# KiCad board pannel.kicad_pcb (continued)
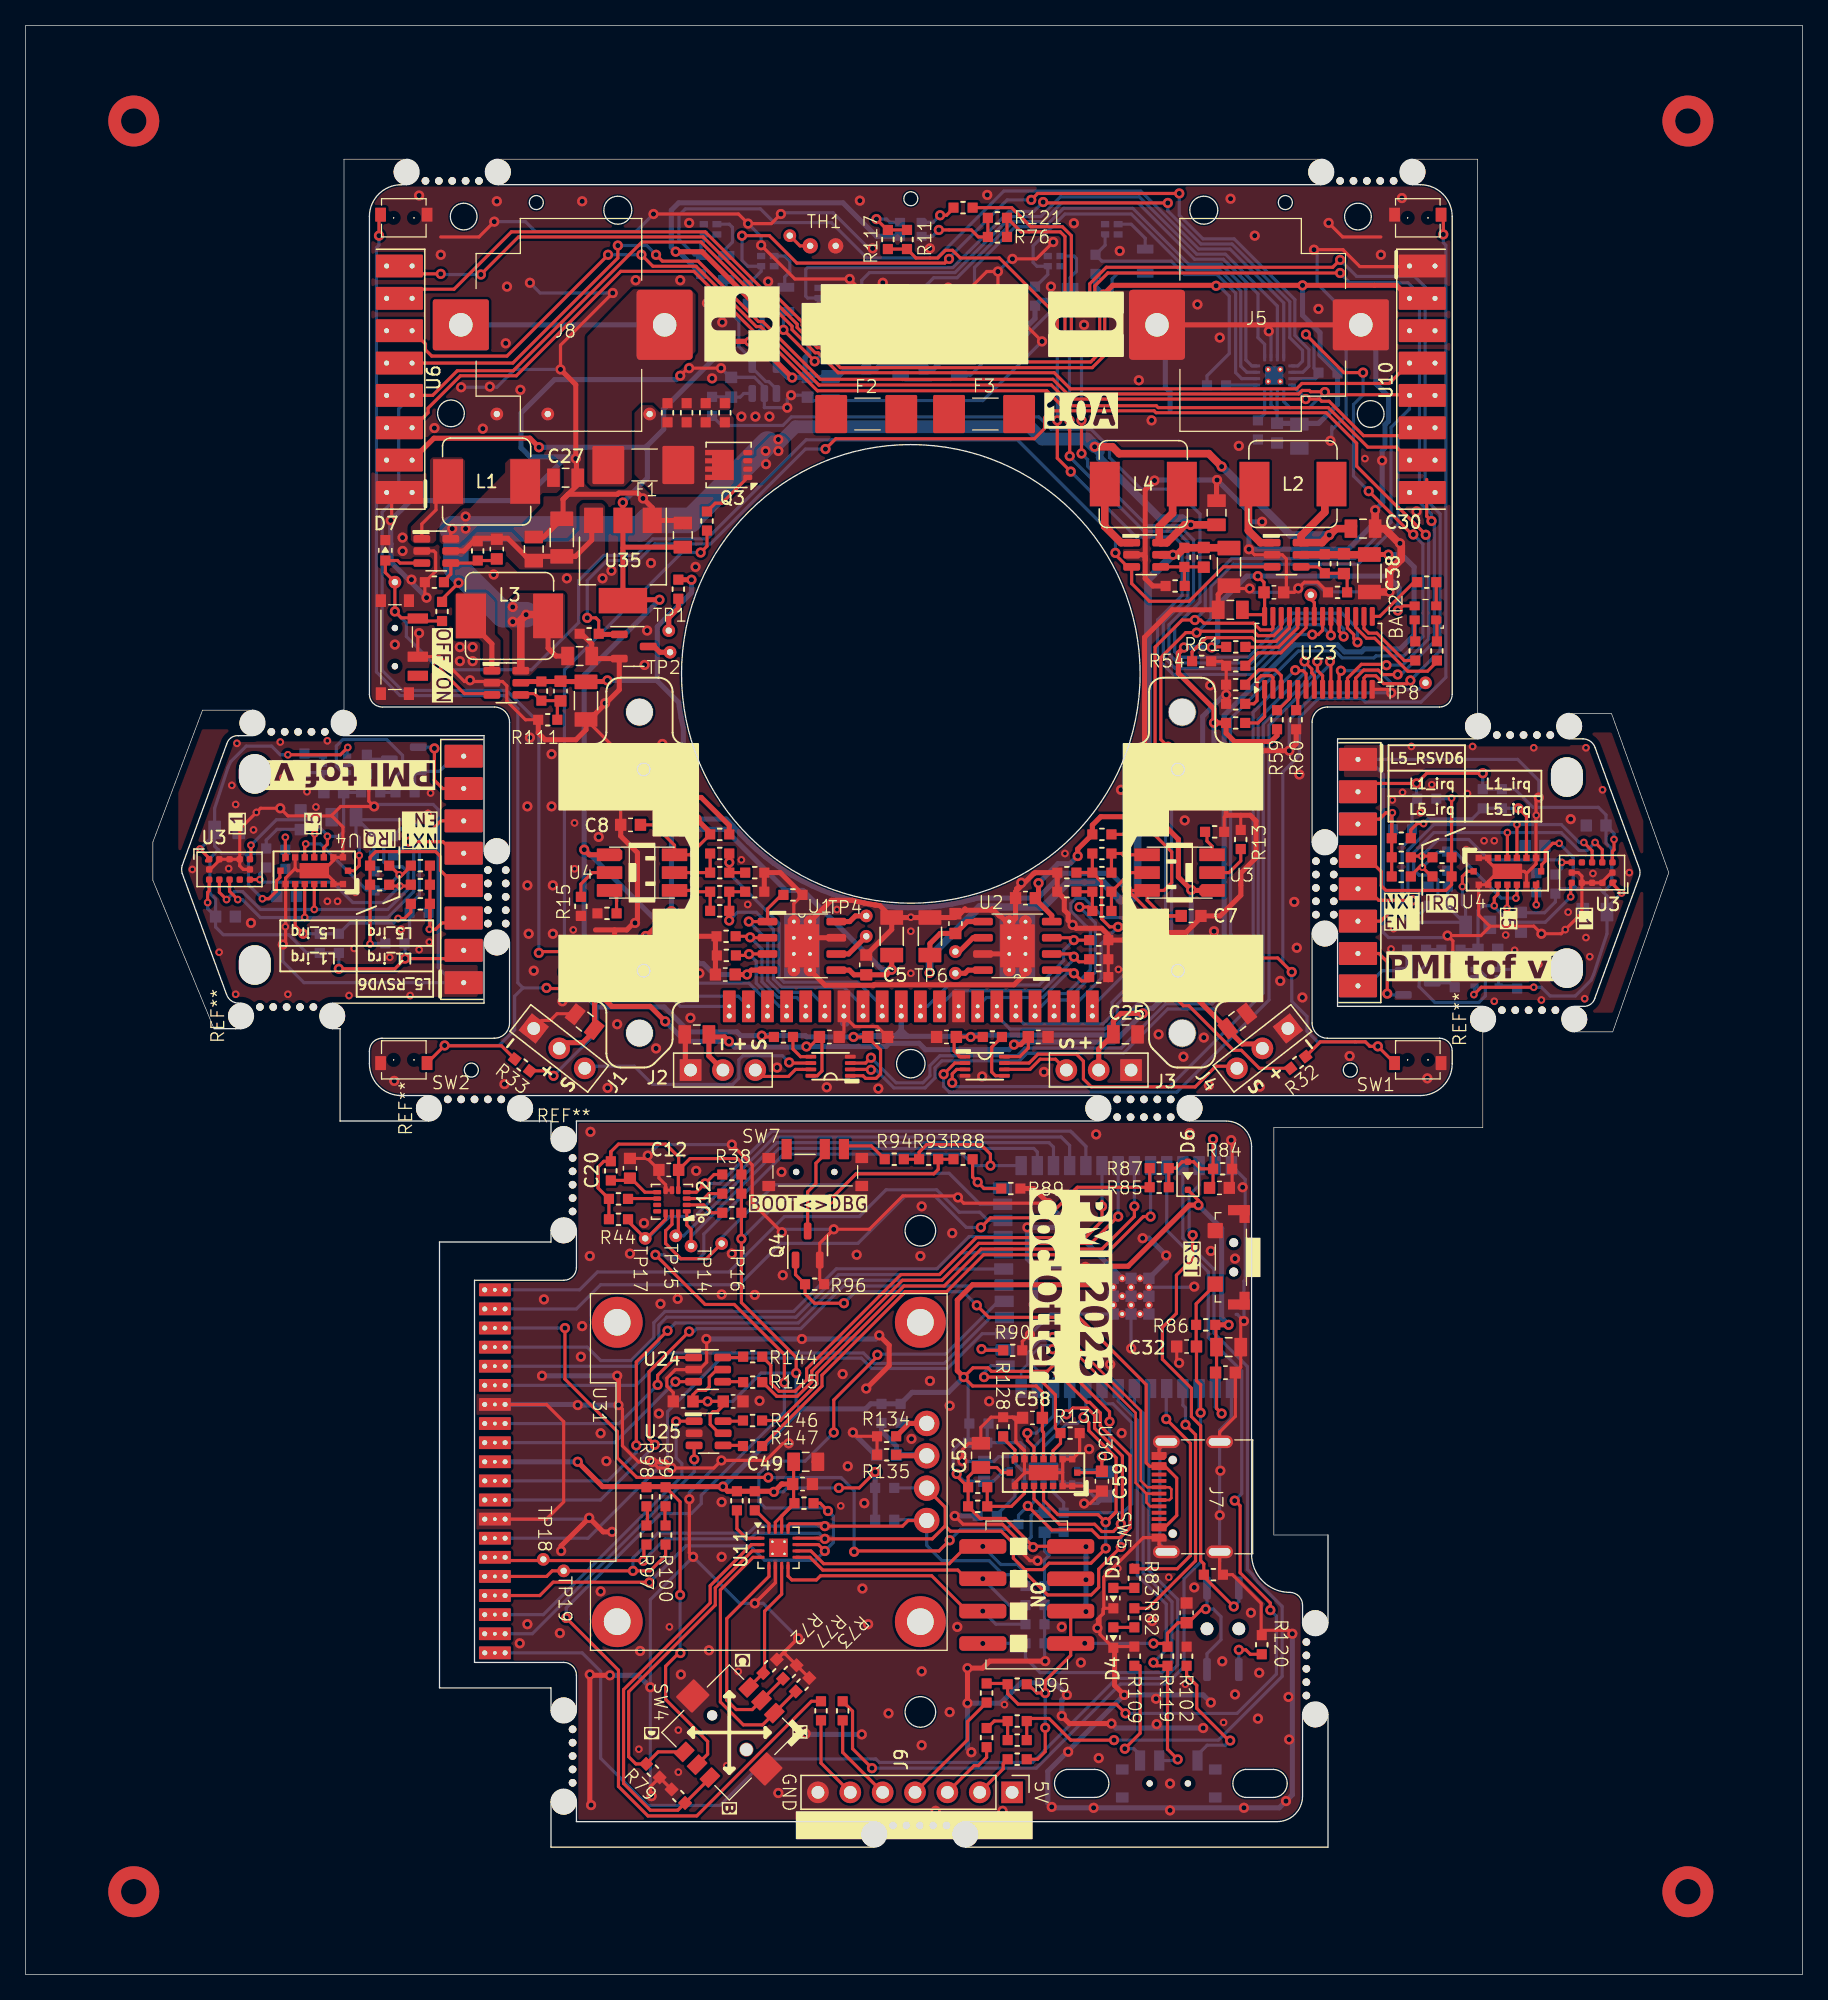
[diagram p0: board, top side]
## Routing (per net, layer and track width the routed paths; a pad name or vN(x,y) marks a point on that pad's centre or on a via; arc(x,y) is an arc through that point) (continued)
  Top w0.4: v2(80.05,24.6) 75.68,24.6 75.13,24.05 v2(73.95,24.05) v2(73.95,21.3) ; v2(50.73,39.76) 50.25,40.24 v2(49.2,40.24) ; v2(42.05,33.25) 42.05,33.65 v2(44.25,35.85) 45.35,34.75 v2(46.05,34.75) ; v2(80.3,60.55) 79.15,61.7 R89.2 ; v2(66,46) 67.8,47.8 67.8,49.4 v2(67.03,50.17) ; v2(45.88,23.49) 44.36,23.49 v2(44.3,23.55) 44.3,13.4 v2(44.4,13.3) ; v2(81.35,20.3) 81.95,19.7 v2(85.25,19.7) ; v2(86.25,21.95) 85.5,22.7 85.5,25.55 D4.C ; v2(46.45,47) 46.55,46.9 v2(46.55,44.7)
  Bottom w0.25: v2(44.25,35.85) 44.15,35.75 J49.13 ; J7.SHIELD 89.05,41.31 89.05,33.8 89.56,33.29 J7.SHIELD ; v2(54.63,40.36) 52.11,37.84 v2(52.11,37.31) ; 95.03,51.82 95.13,51.82 v2(95.65,51.3) 95.65,54.44 95.75,54.54 95.75,62.42 U32.40 94.65,63.52 v2(94.65,65.5) ; v2(83.1,36.97) 84.17,36.97 C51.2 83.85,37.55 82.85,38.55 U22.A7 U22.A6 81.42,39.6 ; R127.2 80.03,34.75 C57.2 80,33.25 80.35,32.9 80,32.54 R68.2 R71.2 80,24.65 v2(80.05,24.6) ; v2(59.37,58.27) 59.6,58.5 v2(63.45,58.5) ; U22.A2 78.42,39.57 78.45,39.6 ; 81.42,39.6 U22.B4 78.22,39.6 77.67,40.15 U22.C1 76.4,40.65 76.03,40.28 C53.2 73.58,40.28 v2(73.55,40.3) ; 81.42,39.6 U22.C6 U22.C7 ; U32.1 94.67,43.66 93.74,42.73 J7.SHIELD J7.SHIELD ; U32.41 U32.41 80.47,51.85 v2(78.85,50.22) ; v2(86.8,49.15) 86.79,49.16 U32.41 U32.41 ; v2(48.85,64.29) 49.71,65.15 v2(55.45,65.15) ; U32.41 U32.41 ; U32.41 U32.41 ; v2(60.65,26.4) 57.91,29.14 v2(57.25,29.14) 56.06,29.14 v2(52.41,32.79) 49.05,29.43 49.05,14.1 v2(49.15,14) ; U32.41 91.7,53.95 v2(91.75,54)
  Bottom w0.4: v2(79.3,55.55) 78.65,56.2 v2(78.65,58.65) 81.6,58.65 v2(83,60.05) ; v2(79.3,55.55) v2(83.2,55.55) 84.1,54.65 U32.41 ; v2(79.3,55.55) 79.3,52.75 v2(79.15,52.6) ; v2(53.45,49.89) 66.74,49.89 v2(67.03,50.17) ; C31.2 66.7,40.8 v2(64.95,42.55) ; v2(93.05,21.35) 92.45,21.95 v2(86.25,21.95) 80.25,15.95 80.25,13.47 v2(80.56,13.15) 80.63,13.09 98.42,13.09 v2(98.95,13.62) 99.45,14.11 v2(99.45,26.75) ; v2(85.25,19.7) 85.6,19.35 v2(92.45,19.35) ; v2(46.55,44.7) v2(43.35,44.7) 43.3,44.75 J49.7 ; v2(65.65,18.85) 61.3,18.85 v2(61.25,18.9) ; v2(74.25,17.45) 73.95,17.75 v2(73.95,21.3) 76.55,21.3 78.15,22.9 80.8,22.9 v2(81.75,21.95) 81.35,21.55 v2(81.35,20.3) ; v2(45.88,23.49) 48.11,23.49 v2(49.05,22.55) ; 72.85,36 v2(72.95,36) R124.2 ; U32.41 89.55,56.01 v2(89.55,56.45) 88.2,57.8 v2(87.7,57.8) ; U32.41 80.3,60.44 v2(80.3,60.55) ; v2(46.45,47) v2(40.55,47)
  vias: v2(38.8,26) v2(39.4,27.5) v2(40.7,53) v2(41.95,26.8) v2(43.6,48.5) v2(43.7,50.9) v2(44.3,56.4) v2(44.35,66.15) v2(45.15,42.49) v2(45.15,30.07) v2(45.6,40.3) v2(47.45,56.59) v2(48.25,25.4) v2(48.55,58.99) v2(49.73,44.04) v2(49.85,52.65) v2(51.2,53.04) v2(51.45,23.55) v2(52.65,63.09) v2(53.65,25.45) v2(54.65,53.39) v2(54.65,37.09) v2(54.65,32.79) v2(55.45,56.59) v2(57.25,53.35) v2(57.62,45.04) v2(59.1,14.25) v2(59.35,63) v2(59.45,54.9) v2(60.95,49.89) v2(64.15,47.14) v2(64.55,39.9) v2(65.25,56.5) v2(65.7,30.3) v2(65.85,37) v2(66.15,27.5) v2(67.75,20.5) v2(69.55,42.05) v2(70.25,56.4) v2(70.35,60.3) v2(70.35,23.8) v2(70.35,18) v2(71,46.6) v2(71.45,12.85) v2(72.55,44.65) v2(72.55,20.6) v2(72.75,58.2) v2(73.2,61) v2(73.15,27.29) v2(75.65,45) v2(76.7,12.85) v2(81.35,27.29) v2(81.85,17.49) v2(82.05,50.79) v2(82.85,24.49) v2(83.5,41.25) v2(83.85,13.09) v2(84.05,65.95) v2(84.25,16.99) v2(85.15,47.9) v2(86.05,42.5) v2(88.45,27.75) v2(88.75,21.65) v2(88.8,19.65) v2(89.85,14.99) v2(89.85,12.89) v2(91.4,66.05) v2(91.75,30.39) v2(93.05,56.8) v2(93.8,39.55) v2(93.75,36.05) v2(93.95,24.59) v2(94.95,56.2) v2(94.95,21.99) v2(95.55,61.8) v2(95.65,13.09) v2(96.2,28.4) v2(96.85,23.69) v2(96.75,20.09) v2(99.15,21.79) v2(99.2,18.45) v3(48.15,17.69) v3(50.55,27.29) v3(51.25,19.19) v3(51.25,15.89) v3(55.05,16.39) v3(55.95,23.79) v3(64,36.79) v3(76.85,21.19) v3(85.75,31.89) v3(89.75,31.19) v3(91.05,22.79) v3(94.05,19.79)
(no net):
  vias: v1(8.5,145.5) v1(8.5,6.5) v1(130.5,145.5) v1(130.5,6.5)
+BATT: length 136.3
  Top w0.25: v2(33.5,113.5) 33.5,113.21 33.39,113.1 U28.6 ; v2(34,109.25) 32.7,107.95 R114.1 ; Q3.1 54.67,115.5 54.15,115.5 R65.1 53.55,114.85 53.6,114.9
  Top w0.4: C39.1 41.65,103.5 41.02,104.12 41.02,106.75
  Top w0.6: 91.66,113.8 C40.1 ; 41.02,106.75 v2(39.3,106.75) 38.89,106.34 38.89,102.45 ; L2.1 102,116.47 102,114.8 100.14,112.94 U29.6 101.78,112.4 102.88,113.5 C30.1 104.25,113.7 ; v2(93.9,118.38) 92.89,119.39 85.86,119.39 85.32,119.93 v2(83.93,119.93) ; 91.48,115.65 90.78,116.35 L4.1 90.05,116.28 90.05,114.72 89,113.67 89,112.51 U34.6 89.6,112.4 91,113.8 v2(91.48,113.8)
  Bottom w0.6: v2(33.5,113.5) 33.79,113.21 ; v2(91.48,113.8) 91.33,113.8 90.81,114.32 89.06,114.32 84.33,119.05 84.33,119.58 ; v2(93.9,118.38) 93.94,118.38 99.32,113 v2(102.35,113) ; v2(83.93,119.93) 83.97,119.93 ; 58.25,120.25 59.2,120.25
  Bottom w0.8: 83.97,119.93 84.33,119.58
  Bottom w1: 59.2,120.25 60.45,121.5 78.85,121.5 79.81,120.54 83.32,120.54 v2(83.93,119.93)
  Bottom w1.8: 58.25,120.25 52.15,114.15
  Bottom w2: v2(39.3,106.75) 37.5,106.75 33.79,110.46 33.79,113.21 ; 52.15,114.15 48.88,114.15 48.22,113.48 33.52,113.48 v2(33.5,113.5)
  vias: v2(34.55,114.45) v2(34.55,113.5) v2(38.25,107.35) v2(38.25,106.2) v2(58.1,119.6) v2(58.14,118.56) v2(59.1,120.5) v2(59.1,119.6)
//enable_tof_3v3: length 12.7
  Top w0.25: J1.7 106.25,80.15 106.9,79.5 v2(106.9,77) ; v2(32.1,96.25) 32.1,93.75 32.75,93.1 J1#2.7
  Bottom w0.25: v2(32.1,96.25) 32,96.35 Q1#3.1 ; v2(106.9,77) 107,76.9 Q1#2.1
//reset_tof_com_3v3: length 11.6
  Bottom w0.25: J1#2.8 33.69,95.64 32.5,94.45 Q1#3.2 30.55,94.16 R18#2.2 ; R18#3.2 108.45,79.09 Q1#2.2 106.5,78.8 105.31,77.61 J1.8
/actuators//reset_tof_3v3: length 134.3
  Top w0.25: v2(32.6,133.5) 31,133.5 30.38,134.12 28.75,134.12 ; v2(35.75,133.45) 38.7,136.4 53.19,136.4 58.08,131.51 58.62,131.51 60.58,129.56 60.58,129.29 62.16,127.71 62.4,127.71 63.97,126.14 83.74,126.14 84.72,127.12 84.72,130.82 83.95,131.6 83.95,132.56 84.96,133.57 v2(103.2,133.57) ; v2(107.72,102.05) 107.72,102.05 107.72,102.04 106.55,102.04 106.19,102.4 105.05,102.4 104.42,101.77 U23.12 ; 110,117.36 110,114.47 v2(110.38,114.1)
  Bottom w0.25: v2(103.2,133.57) 103.97,132.8 108.53,132.8 109.42,131.9 109.42,115.58 110.38,114.63 v2(110.38,114.1) 110.6,113.88 110.6,104.65 108,102.05 v2(107.72,102.05) ; v2(32.6,133.5) 32.65,133.45 v2(35.75,133.45)
/actuators/enable_tof_3v3: length 133.5
  Top w0.25: U23.13 105.08,101.78 105.24,101.95 106,101.95 106.62,101.34 107.51,101.34 107.53,101.32 108.46,101.32 v2(108.72,101.59) ; 28.75,131.58 29.7,131.58 30.42,132.3 33.65,132.3 38.15,136.8 53.36,136.8 58.25,131.91 58.79,131.91 60.98,129.72 60.98,129.46 62.32,128.11 62.56,128.11 64.08,126.59 83.62,126.59 83.83,126.79 83.83,126.8 84.33,127.3 84.33,130.65 83.55,131.43 83.55,132.72 84.85,134.02 102.62,134.02 v2(103.2,134.6)
  Bottom w0.25: v2(108.72,101.59) 111.05,103.92 111.05,114.66 109.88,115.84 109.88,132.47 109.05,133.3 104.5,133.3 v2(103.2,134.6)
/actuators/led_RGB_b_3v3: length 65.5
  Top w0.25: v2(82.05,117.98) 81,119.03 v2(81,122) ; R117.1 R11.1 69.9,134.75 71.62,134.75 72.22,135.35 72.78,135.35 73.38,134.75 76.45,134.75 81,130.2 v2(81,127.81) ; v2(101.02,105.19) 101.49,105.19 101.83,105.53 U23.21
  Bottom w0.25: v2(82.05,117.98) 87.19,112.84 90.2,112.84 90.8,112.25 90.8,108.26 88.87,106.33 88.87,103.28 90.09,102.06 96.58,102.06 99.7,105.19 v2(101.02,105.19) ; v2(81,122) v2(81,127.81)
/actuators/led_RGB_g_3v3: length 62.7
  Top w0.25: R76.1 R121.1 78.15,136.8 81.24,136.8 81.6,136.44 81.6,128.53 81.95,128.18 v2(81.95,127.78) ; v2(81.97,119.19) 81.97,121.22 81.95,121.24 v2(81.95,122) ; U23.20 v2(102.47,105.12)
  Bottom w0.25: v2(81.97,119.19) 81.97,119.14 87.82,113.3 90.39,113.3 91.25,112.43 91.25,108.08 89.32,106.15 89.32,103.47 90.28,102.51 96.39,102.51 99.84,105.96 101.64,105.96 v2(102.47,105.12) ; v2(81.95,122) v2(81.95,127.78)
/actuators/led_RGB_r_3v3: length 65.7
  Top w0.25: v2(103.48,105.03) 103.48,105.1 103.12,105.45 U23.19 ; v2(82.9,122) v2(82.9,119.4) ; v2(82.9,127.8) 82.1,128.6 82.1,136.5 81.4,137.2 78.92,137.2 77.42,138.7 74.45,138.7
  Bottom w0.25: v2(82.9,122) v2(82.9,127.8) ; v2(82.9,119.4) 83.38,118.92 83.38,118.4 88.03,113.75 90.57,113.75 91.7,112.62 91.7,107.89 89.77,105.96 89.77,103.66 90.46,102.96 96.2,102.96 99.66,106.41 102.69,106.41 103.48,105.62 v2(103.48,105.03)
/actuators/led_vbatt_B: length 6
  Top w0.25: R62.2 108.23,103.15 106.08,105.3 105.44,105.3 105.08,105.66 U23.16
/actuators/led_vbatt_G: length 4.6
  Top w0.25: R63.2 109,109.3 106.31,106.61 U23.15
/actuators/led_vbatt_R: length 8.9
  Top w0.25: U23.17 104.42,105.75 105.27,104.9 105.91,104.9 108.5,102.31 110.06,102.31 110.75,103
/actuators/line_led_pwm_3v3: length 74
  Top w0.25: v2(104.57,104.58) 104.27,104.88 104.27,105.19 103.78,105.69 U23.18
  Bottom w0.25: v2(104.57,104.58) 104.57,105.64 103.34,106.86 99.47,106.86 96.02,103.41 90.65,103.41 90.22,103.84 90.22,105.77 92.2,107.76 92.2,114.65 90.24,116.61 87.58,116.61 85.1,119.09 85.1,119.86 83.64,121.31 80.51,121.31 79.55,122.28 60.13,122.28 59.45,121.6 54.65,121.6 R31.1
/actuators/scl_3v3: length 174.1
  Top w0.25: v2(45.73,135) 45.73,134.98 37.8,127.05 31.89,127.05 31.4,127.54 31.4,128 30.36,129.04 28.75,129.04 ; U23.26 98.58,105.69 97.99,105.1 96.75,105.1 96.4,105.45 92.05,105.45 v2(91.94,105.34) 91.08,105.34 89.12,103.38 89.12,96.95 v2(89.69,96.38) ; v2(48.35,135) 49.25,134.1 52.63,134.1 57.37,129.36 57.71,129.36 61.7,125.37 61.7,125.36 62.28,124.78 80.54,124.78 81.64,123.67 v2(100.5,123.67) 101.58,123.67 101.75,123.5 102.34,123.5 105.04,120.8 108.03,120.8 108.66,121.43
  Top w0.4: 28.75,129.04 29.17,129.04
  Bottom w0.25: v2(45.73,135) v2(48.35,135) ; v2(91.94,105.34) 93.06,106.47 93.06,108.97 94.81,110.71 104.61,110.71 107.75,113.85 107.75,120.52 U10.6 ; 99.42,124.78 100.5,123.7 v2(100.5,123.67) ; J50.15 77.28,74.22 84.76,74.22 85.7,75.17 85.7,76.15 89.97,80.42 89.97,93.99 89.69,94.27 v2(89.69,96.38)
  Bottom w0.4: J50.15 J50.15
/actuators/sda_3v3: length 175.5
  Top w0.25: U23.27 97.92,105.67 97.8,105.55 96.94,105.55 96.41,106.08 92.5,106.08 92.25,106.33 v2(91.8,106.33) 90.8,106.33 88.67,104.2 88.67,96.45 88.92,96.2 v2(88.92,95.58) ; U10.5 108.6,124.01 102.21,124.01 v2(102,124.22) 101.97,124.25 100.88,124.25 100.78,124.35 100.22,124.35 99.95,124.08 81.8,124.08 80.65,125.22 62.4,125.22 62.1,125.53 62.1,125.53 57.87,129.76 57.54,129.76 52.8,134.5 50,134.5 v2(49.5,135) ; 28.75,126.5 38.26,126.5 46.5,134.74 v2(46.5,135.72)
  Bottom w0.25: J50.16 78.38,74.62 84.59,74.62 85.3,75.33 85.3,76.32 89.5,80.52 89.5,93.28 88.92,93.85 v2(88.92,95.58) ; U7.13 98.78,123.47 99.25,123 100.78,123 102,124.22 v2(102,124.22) ; v2(49.5,135) 48.77,135.72 v2(46.5,135.72) ; v2(91.8,106.33) 92.61,107.15 92.61,109.08 94.69,111.16 104.36,111.16 107.2,114 107.2,121.45 108.65,122.9 U10.5
  Bottom w0.4: J50.16 J50.16
/actuators/servo_pwm_0_3v3: length 63.5
  Top w0.25: U23.6 100.53,102.12 100.3,102.35 99.72,102.35 v2(99.67,102.39) ; v2(66.37,71.97) 65.95,71.55 U21.3
  Bottom w0.25: v2(66.37,71.97) 68.35,70 70.45,70 71,70.55 71,71.35 71.77,72.12 77.86,72.12 78.46,72.72 86.03,72.72 89.5,76.2 93.15,76.2 96.37,79.42 96.37,99.09 v2(99.67,102.39)
/actuators/servo_pwm_0_5V: length 20.2
  Top w0.25: v2(59.95,71.6) 60,71.55 U21.6
  Bottom w0.25: 44.1,71.3 47.8,71.3 49.23,69.88 55.52,69.88 56,70.36 56,71.8 56.32,72.12 59.42,72.12 v2(59.95,71.6)
/actuators/servo_pwm_1_3v3: length 64.9
  Top w0.25: v2(100.4,103.07) 100.4,103.05 100.97,102.48 100.97,102.17 101.17,101.97 U23.7 ; U21.2 66.34,71.05 v2(66.37,71.02)
  Bottom w0.25: v2(100.4,103.07) 100.4,102.17 96.77,98.53 96.77,79.25 93.32,75.8 89.67,75.8 86.19,72.33 78.62,72.33 78.03,71.72 71.94,71.72 71.4,71.18 71.4,70.38 70.62,69.6 68.17,69.6 66.75,71.02 v2(66.37,71.02)
/actuators/servo_pwm_1_5V: length 4.8
  Top w0.25: U21.7 60.45,71.05 59.9,70.5 57.79,70.5 J2.3
/actuators/servo_pwm_2_3v3: length 59.6
  Top w0.25: U17.3 73.1,71.05 72.75,70.7 v2(72.75,70) ; U23.8 101.83,101.96 101.42,102.36 101.42,103.06 v2(101.4,103.08)
  Bottom w0.25: v2(101.4,103.08) 101.4,102.4 97.17,98.17 97.17,77.05 89.82,69.7 73.05,69.7 v2(72.75,70)
/actuators/servo_pwm_2_5V: length 5.8
  Top w0.25: 81.91,70.8 80.86,71.85 79.65,71.85 78.85,71.05 U17.6
/actuators/servo_pwm_3_3v3: length 62.5
  Top w0.25: v2(72.08,70.67) 72.95,71.55 U17.2 ; v2(102.4,103.08) 102.47,103 U23.9
  Bottom w0.25: v2(72.08,70.67) 72.08,69.72 72.52,69.28 90.39,69.28 97.62,76.5 97.62,98.05 102.4,102.84 v2(102.4,103.08)
/actuators/servo_pwm_3_5V: length 20.9
  Top w0.25: U17.7 78.78,71.55 79.48,72.25 82.5,72.25 83.05,71.7 83.05,70.3 83.67,69.67 91.82,69.67 93.45,71.3 94.9,71.3
/actuators/servos_nOE: length 6.9
  Top w0.25: R55.1 96.77,103.75 98.55,103.75 100.53,105.73 U23.23
/actuators/u23_unused_led4: length 9.1
  Top w0.25: U23.10 103.12,102.21 v2(103.26,102.35)
  Bottom w0.25: 109.8,101.4 TP8.1 109.36,100.86 108.42,100.86 107.95,101.33 107.42,101.33 107.41,101.34 107.26,101.34 106.25,102.35 v2(103.26,102.35)
/actuators/u23_unused_led15: length 1.8
  Top w0.25: U23.22 101.17,107.7 100.95,107.92 100.95,108.25 TP7.1
/boards interface/com/boot/dl_select_3v3: length 120.4
  Top w0.25: R140.1 61.7,21.45 52.7,12.45 48.86,12.45 46.55,14.76 46.55,23.89 v2(42.45,27.99) ; v2(59.57,46.46) 59.57,48.67 55.64,52.6 53.35,52.6 v2(49.45,56.5) ; v2(75.75,63.5) 75.75,64.4 75,65.15 70.75,65.15 70.15,64.55 R93.2 R94.1
  Bottom w0.25: v2(59.57,46.46) 59.57,44.15 53.05,37.63 53.05,36.97 52.27,36.19 49.86,36.19 42.45,28.78 v2(42.45,27.99) ; U32.27 v2(75.75,63.5) 74.45,63.5 73.55,64.4 59.52,64.4 53.25,58.13 53.25,56.59 52.85,56.19 50.45,56.19 50.14,56.5 v2(49.45,56.5)
/boards interface/com/ctc_left: length 90
  Bottom w0.25: U32.6 88.19,45.86 88.19,31.72 90.45,29.45 90.45,24.3 89.4,23.25 85.65,23.25 79.05,16.65 67.03,16.65 66.75,16.93 58.17,16.93 54.52,13.28 48.85,13.28 45.15,16.97 45.15,23.8 43.7,25.25 J49.20
/boards interface/com/ctc_right: length 44.1
  Bottom w0.25: U32.24 75.56,59.19 74.91,59.84 73.29,59.84 71.54,61.6 67.55,61.6 65.45,59.5 59.57,59.5 55.22,55.15 44.9,55.15 43.5,53.75 J49.1
/boards interface/com/dir_left: length 44.4
  Bottom w0.25: J49.5 47.84,47.75 49.73,49.64 49.73,50.99 50.34,51.6 60.49,51.6 63.84,54.95 71.74,54.95 73.44,56.66 U32.22
/boards interface/com/dir_right: length 51
  Top w0.25: v2(49.4,41.59) 48.95,42.04 48.95,47.33 v2(52.1,50.47)
  Bottom w0.25: v2(49.4,41.59) 49.4,41.51 45.14,37.25 J49.12 ; v2(52.1,50.47) 52.47,50.47 52.7,50.7 60.86,50.7 64.21,54.05 76.75,54.05 U32.20
/boards interface/com/emergency_stop_3v3: length 33.9
  Top w0.25: v2(88.55,24.49) 88.8,24.24 R119.2 89.65,17.69 v2(90.45,16.89)
  Bottom w0.25: SW3.B 90.36,16.8 v2(90.45,16.89) ; v2(88.55,24.49) 89.55,25.49 89.55,29.08 87.28,31.34 87.28,43.52 85.78,45.02 U32.8
/boards interface/com/EN_ESP32_3v3: length 67.6
  Top w0.25: 92.08,43.92 v2(92.25,44.1) 92.25,46.29 91.92,46.61 91.92,49.3 91.9,49.33 R86.2 91.9,52.65 93.4,54.15 SW10.2 ; R139.1 64.92,20.68 64.92,17.72 v2(66.45,16.2) ; 91.92,51.03 91.95,51
  Bottom w0.25: v2(66.45,16.2) 79.35,16.2 85.95,22.8 89.59,22.8 90.95,24.16 90.95,31.08 92.25,32.38 v2(92.25,44.1) 92.13,44.22 U32.3
/boards interface/com/esp32_dbg_rx_3v3: length 69.5
  Top w0.25: v2(86.35,20.5) 85.62,21.22 77.92,21.22 77.1,22.05 77.1,22.9 ; R136.1 76.95,22.85 77.05,22.95 ; v2(94.92,37.2) 94.95,37.2 95.35,36.8 95.35,31.54 97.72,29.17 v2(97.72,28.61)
  Bottom w0.25: 97.65,28.6 97.66,28.61 v2(97.72,28.61) 98.2,28.13 98.2,23.59 95.11,20.5 v2(86.35,20.5) ; U32.36 89.59,58.42 92.85,55.16 92.85,50 95.47,47.38 95.47,37.75 v2(94.92,37.2)
/boards interface/com/esp32_dbg_tx_3v3: length 3.4
  Top w0.25: R137.1 75.5,19.35 76.05,19.9 R91.2 R92.2
/boards interface/com/esp32_vbatt_mon_1v8: length 11.5
  Top w0.25: 93.25,65.6 v2(93.22,65.58) R84.2 ; R84.2 92.25,63.25 91.7,63.8 D6.2 90.8,63.8 90.3,63.3 R87.1 R85.1 ; R84.2 93.22,62.03 C33.1
  Bottom w0.25: U32.39 93.4,65.4 v2(93.22,65.58)
/boards interface/com/i_prop_left_3v3: length 42.9
  Bottom w0.25: J49.6 47.94,46.25 50.48,48.79 65.78,48.79 66.6,47.97 72.14,47.97 75.76,51.6 76.85,51.6
/boards interface/com/i_prop_right_3v3: length 49.5
  Bottom w0.25: J49.14 44.17,34.25 50.4,40.48 50.4,44.19 54.6,48.39 65.62,48.39 66.43,47.58 72.38,47.58 75.11,50.31 U32.17
/boards interface/com/led_com_3v3: length 18.9
  Top w0.25: R83.1 90.41,31.85 91.45,32.89 91.45,41.7 v2(89.55,43.6) ; 86.9,32.15 87,32.05
  Bottom w0.25: v2(89.55,43.6) 89.55,45.96 U32.5
/boards interface/com/led_esp_3v3: length 20.3
  Top w0.25: R82.1 88.13,28.75 91.85,32.47 91.85,42.37 v2(91.06,43.16)
  Bottom w0.25: U32.4 90.86,44.69 91.06,44.49 v2(91.06,43.16)
/boards interface/com/left_encod_A_3v3: length 39
  Top w0.25: R144.2 58.51,47.82 58.51,46.42 59.14,45.79 60.42,45.79 61.33,46.69 61.33,47.55 68.73,54.95 71.75,54.95 74.65,57.85 83.2,57.85 84.51,59.16 84.51,60.7
  Bottom w0.25: 84.51,60.7 U32.32
  vias: v2(84.51,60.3)
/boards interface/com/left_encod_B_3v3: length 38.8
  Top w0.25: v2(85.78,59.5) 85.75,59.5 83.65,57.4 74.84,57.4 71.94,54.5 68.84,54.5 61.73,47.38 61.73,46.52 60.59,45.39 58.98,45.39 57.87,46.5 R145.2
  Bottom w0.25: U32.33 v2(85.78,59.5)
/boards interface/com/pwm_left: length 45.1
  Bottom w0.25: J49.4 44.1,49.25 45.15,48.2 47.54,48.2 49.33,49.99 49.33,51.17 50.2,52.05 60.3,52.05 63.65,55.4 71.55,55.4 74.08,57.92 U32.23
/boards interface/com/pwm_right: length 51
  Top w0.25: v2(47.95,41.54) 47.95,48.09 v2(50.4,50.54)
  Bottom w0.25: U32.21 72.81,55.39 71.92,54.5 64.02,54.5 60.67,51.15 51.01,51.15 v2(50.4,50.54) ; v2(47.95,41.54) 47.95,40.99 45.71,38.75 J49.11
/boards interface/com/right_encod_A_3v3: length 42.9
  Top w0.25: 69.55,53.6 72.31,53.6 75.21,56.5 84.75,56.5 87.75,59.5 v2(88.32,59.5) ; 69.55,53.6 69.07,53.6 ; 69.55,53.6 69.07,53.6 ; 69.07,53.6 62.52,47.05 62.52,46.19 57.83,41.49 R147.2
  Bottom w0.25: U32.35 v2(88.32,59.5)
/boards interface/com/right_encod_B_3v3: length 40.4
  Top w0.25: v2(87.05,60.3) 87.05,59.5 84.5,56.95 75.02,56.95 72.12,54.05 68.96,54.05 62.12,47.22 62.12,46.36 59.26,43.49 R146.2
  Bottom w0.25: U32.34 v2(87.05,60.3)
/boards interface/com/start_robot_3v3: length 40
  Top w0.25: v2(94.85,28.89) 92.5,31.24 R122.1 92.5,32.24 92.25,32.49 92.25,43.07 91.53,43.8 91.53,46.03 89.25,48.3 89.25,50.8 90.35,51.9 90.35,54.9 91.63,56.18 v2(91.63,58.05)
  Bottom w0.25: U32.38 92.13,61.96 91.35,61.18 91.35,58.33 v2(91.63,58.05) ; U18.4 95.25,29.29 v2(94.85,28.89)
/boards interface/com/USB_D+: length 24.7
  Top w0.2: 80.65,49.99 v2(80.65,50.04) 80.95,49.74 82.06,49.74 87.55,44.25 87.55,38.77 88.07,38.25 J7.B6 89.8,38.25 89.95,38.1 89.95,37.4 89.8,37.25 J7.A6
  Bottom w0.2: U32.14 78.16,47.4 78.65,47.89 78.65,48.79 79.65,49.79 80.4,49.79 v2(80.65,50.04)
/boards interface/com/USB_D-: length 23.2
  Top w0.2: v2(80.64,49.09) 80.94,49.39 81.85,49.39 87.15,44.08 87.15,38.6 88,37.75 ; 88,37.75 88,37.05 88.3,36.75 J7.B7 ; 88,37.75 J7.A7
  Bottom w0.2: v2(80.64,49.09) 80.34,49.39 79.74,49.39 79,48.64 79,47.89 79.43,47.46 U32.13
/boards interface/com/USB_VBUS: length 47.2
  Top w0.25: Q4.1 60.45,54.94 R96.1 61.2,53.44 61.94,52.7 v2(64.25,52.7) ; v2(74.68,52.53) 75.62,51.59 82.69,51.59 87.97,46.31 87.97,40.17 88.25,39.9 J7.A9 89.44,39.9 90.38,38.97 90.38,36.03 89.44,35.1 J7.A4
  Bottom w0.25: v2(64.25,52.7) 65.15,53.6 73.61,53.6 v2(74.68,52.53)
/boards interface/i2C_io_int_3v3: length 98
  Top w0.25: v2(88,81) 88.5,81 88.67,81.17 94.03,81.17 94.6,80.6 ; v2(108.94,113.05) 108.84,113.05 v2(105.44,116.44) ; v2(105,125.75) 103.5,125.75 100.52,128.73 v2(100.52,128.75)
  Bottom w0.25: 105.5,116.44 v2(105.44,116.44) 104.25,117.64 104.25,123.25 105,124 v2(105,125.75) ; v2(94.85,80.6) 94.85,81.45 94.6,81.7 94.6,98.58 99.92,103.9 102.81,103.9 103.35,103.36 105.86,103.36 106.01,103.51 108.18,103.51 109.7,105.03 109.7,112.29 v2(108.94,113.05) ; J50.17 79.73,76 80.73,77 81.73,77 83.59,78.86 83.59,81.96 82.07,83.49 82.07,84.08 82.46,84.47 83.12,84.47 84.63,82.97 86.03,82.97 v2(88,81) ; v2(100.52,128.75) 101.15,128.12 101.15,126.1 R9.2 ; 101.75,125.75 101.28,125.28 99.42,125.28
  Bottom w0.4: J50.17 J50.17
/boards interface/i2c_io_int_3v3: length 70.1
  Top w0.25: R115.2 62.39,37 v2(63,36.39) ; J49.17 40.38,29.75 41.42,30.8 48.95,30.8 v2(48.98,30.78) ; v2(63.45,42.55) 63.45,45.1 66.88,48.53 v2(66.88,48.65) ; v2(62.75,33.25) 62.25,33.75 U11.11
  Bottom w0.25: v2(63.45,42.55) 61.2,40.3 58.57,40.3 57.58,39.3 57.58,37.12 58.08,36.62 62.76,36.62 v2(63,36.39) 63.42,35.96 63.42,33.92 62.75,33.25 v2(62.75,33.25) 62.02,32.53 58.01,32.53 56.89,33.65 51.85,33.65 v2(48.98,30.78) ; v2(66.88,48.65) 66.92,48.7 72.23,48.7 76.37,52.84 U32.19
/boards interface/i_prop_left_3v3: length 15.5
  Top w0.25: v2(56.78,82.66) 56.78,82.66 U1.1 58.25,83.65 59.35,84.75 R7.1
  Bottom w0.25: v2(56.78,82.66) 58.27,81.17 58.27,78.05 59.21,77.1 61.65,77.1 J50.6
  Bottom w0.4: J50.6 J50.6
/boards interface/i_prop_right_3v3: length 12.7
  Top w0.25: v2(82.3,78.6) 82.06,78.84 U2.1 ; v2(82.3,78.6) 82.3,78.59 ; v2(82.3,78.6) 82.9,78 83.5,78
  Bottom w0.25: v2(82.3,78.6) 81.77,78.6 79.87,76.7 75.45,76.7 J50.14
  Bottom w0.4: J50.14 J50.14
/boards interface/interface/conf0: length 21.1
  Top w0.25: 75.38,33.62 73.88,33.62 72.51,32.25 62.65,32.25 61.65,33.25 U11.10
  Bottom w0.25: R68.1 78.5,31.54 77.85,32.19 76.57,32.19 v2(75.15,33.61)
/boards interface/interface/conf1: length 19.8
  Top w0.25: U11.9 61.59,32.75 62.59,31.75 73.19,31.75 73.86,31.08 75.38,31.08
  Bottom w0.25: R69.1 77.22,29 v2(75.15,31.07)
/boards interface/interface/conf2: length 21.5
  Top w0.25: 75.38,28.54 73.9,28.54 71.14,31.3 62.41,31.3 62.09,30.97 60.16,30.97 59.86,31.28 U11.8
  Bottom w0.25: R70.1 76.18,27.5 v2(75.15,28.53)
/boards interface/interface/conf3: length 39.5
  Bottom w0.25: U32.7 87.05,44.75 87.73,44.06 87.73,31.53 90,29.26 90,24.49 89.21,23.7 79.65,23.7 78.5,24.85 R71.1 75.16,26 v2(75.15,25.99)
/boards interface/interface/select0: length 25.8
  Top w0.25: SW4.6 49.67,17.48 R79.1 47.92,16.53 47.35,17.1 47.35,22.2 54.15,29 54.15,30.35 57.05,33.25 U11.3
/boards interface/interface/select1: length 20.8
  Top w0.25: R73.1 58.79,20.54 SW4.1 57.87,19.6 56.35,19.6 54.55,21.4 54.55,30.19 57.11,32.75 U11.4
/boards interface/interface/select2: length 10.6
  Top w0.25: U11.7 59.36,29.86 58.02,28.52 58.02,23.77 56.79,22.54 SW4.3
/boards interface/interface/select3: length 32.4
  Top w0.25: U11.2 56.98,33.75 53.75,30.52 53.75,29.17 46.95,22.37 46.95,15 49.05,12.9 51.21,12.9 R78.1 53.73,15.42 SW4.4
/boards interface/interface/select4: length 17.7
  Top w0.25: U11.5 58.36,31.25 55.05,27.94 55.05,21.54 55.79,20.8 57.05,20.8 SW4.2 R77.1
/boards interface/left_encod_raw_A_3v3: length 18.2
  Top w0.25: U24.1 51.02,48.44 49.62,47.04 v2(49.62,46.29)
  Bottom w0.25: v2(49.62,46.29) 46.59,43.25 J49.8
/boards interface/left_encod_raw_B_3v3: length 17.6
  Top w0.25: v2(51.02,46.54) U24.3
  Bottom w0.25: J49.9 46.24,41.75 51.02,46.53 v2(51.02,46.54)
/boards interface/right_encod_raw_A_3v3: length 23.1
  Top w0.25: v2(52.5,40.44) 52.49,40.45 U25.3
  Bottom w0.25: J49.19 39.79,26.75 52.5,39.46 52.5,40.36 52.42,40.44 v2(52.5,40.44)
/boards interface/right_encod_raw_B_3v3: length 25.1
  Top w0.25: v2(51.08,43.41) 51.1,43.44 U25.1
  Bottom w0.25: v2(51.08,43.41) 51.08,40.56 51.52,40.11 51.52,39.12 40.65,28.25 J49.18
/boards interface/scl_top_3v3: length 88.7
  Top w0.25: v2(84.8,33.45) 83.64,32.29 80.35,32.29 79.85,31.79 78.45,31.79 77.55,32.69 77.55,33.85 76.6,34.8 72.62,34.8 72.2,35.22 ; 85.1,35.8 85.61,36.31 ; 85.61,36.31 85.61,40.56 83.47,42.7 83.47,43.33 v2(83.05,43.75) ; 85.61,36.31 v2(84.8,35.5) 84.2,36.1 81.05,36.1 79.92,37.23 U30.C4 ; 84.5,35.5 84.8,35.8 ; 72.2,35.22 72.2,36.68 70.65,38.23 ; 72.2,35.22 71.18,34.2 v2(62.75,34.2) 62.7,34.25 U11.12 ; 48.85,33.82 48.55,33.53 48.55,32.53 v2(48.49,32.47) 48.47,32.5 37.1,32.5 J49.15
  Bottom w0.25: v2(48.49,32.47) 50.22,34.2 56.88,34.2 57.32,34.64 62.31,34.64 v2(62.75,34.2) ; R80.2 70.62,38.2 70.65,38.23 ; U32.10 83.24,43.94 ; U22.C4 79.92,41.42 81.75,43.25 82.55,43.25 v2(83.05,43.75) ; v2(84.8,35.5) v2(84.8,33.45)
